# Altium PCB DT35_ACQ_F3_V1.2.PcbDoc (part 1 of 2) (continued)
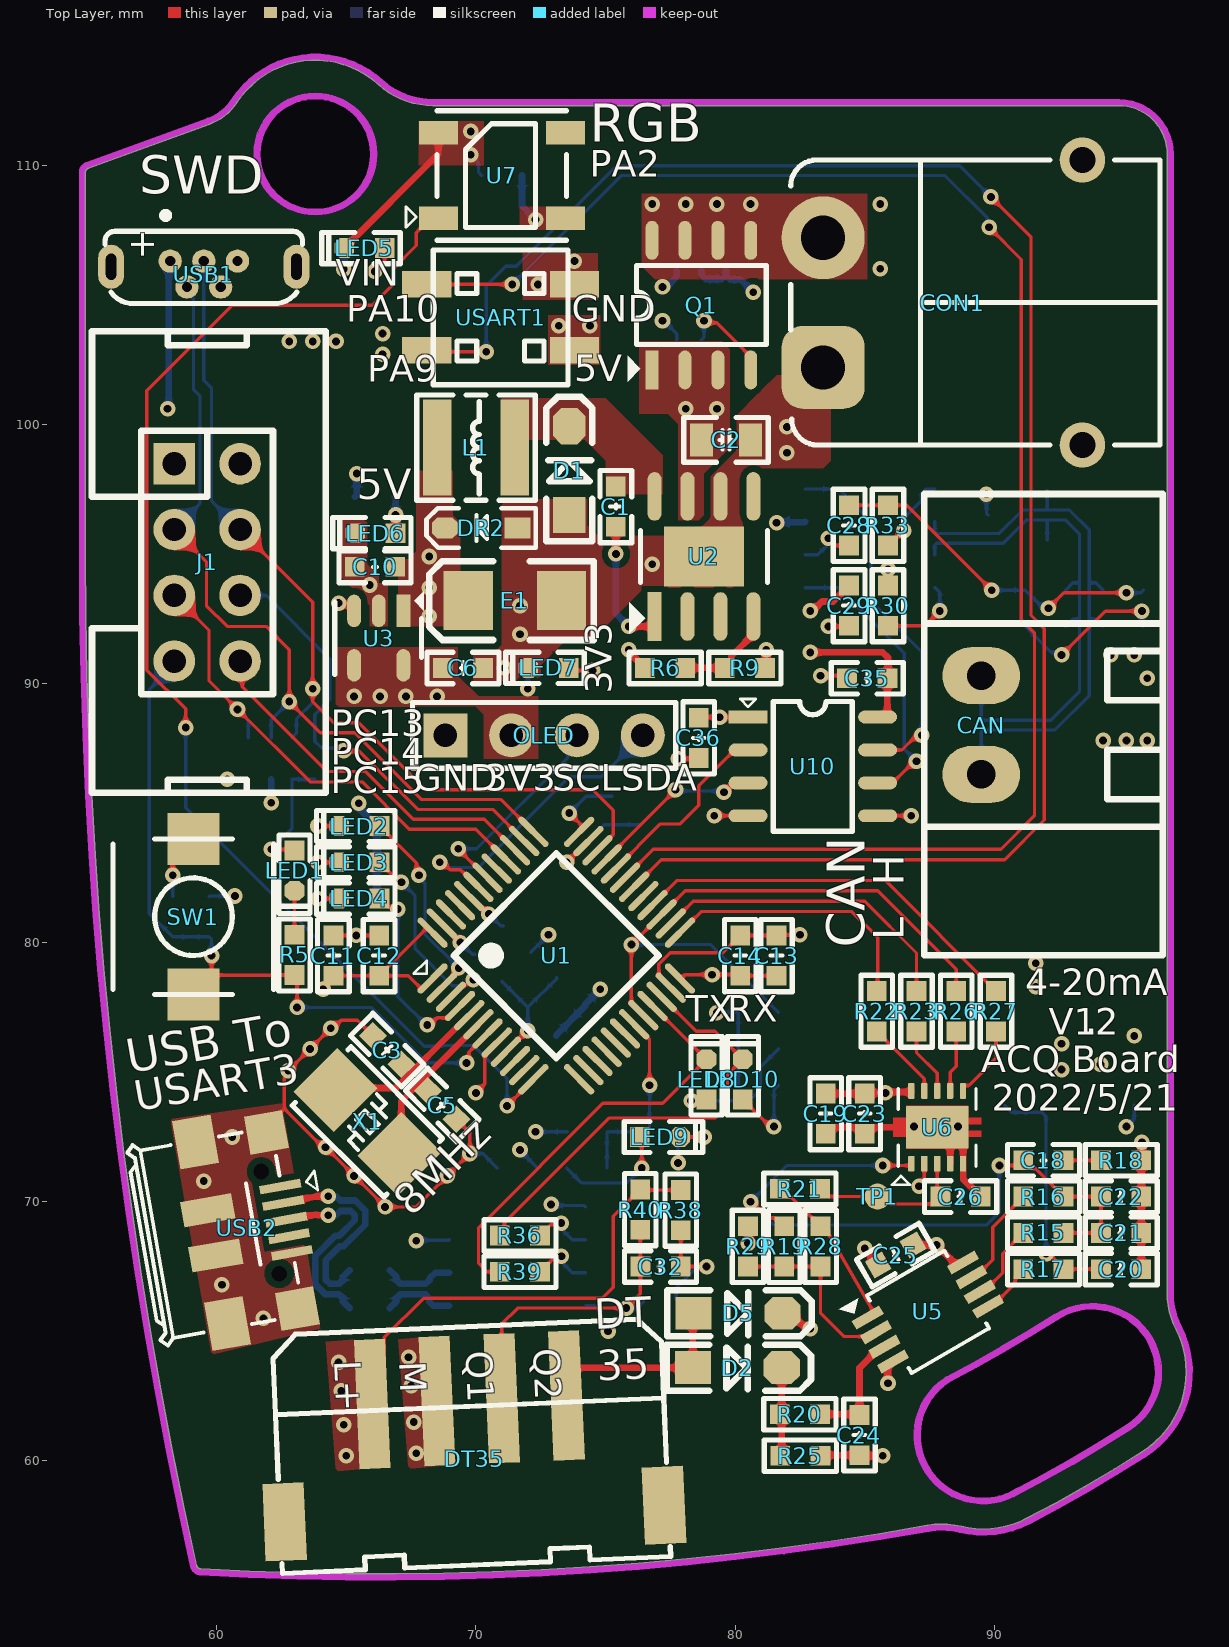
[diagram p0: Top Layer view]
## Footprints (in the part's own frame and the unit in brackets; to place one, negate y for a bottom-side part, rotate by r counter-clockwise, add the part's x,y. Pads: shape width x height; smd on the part's side, far side on the other; paste and mask are expansions set on the pad)
15EDGRM-02P-3.81mm [mm]
  oval 2.2x3 hole 1.1: 1(-7.62,-1) 2(-3.81,-1)
  silkscreen extent -14.6,-8 3.2,1.2, body extent -14.71,-8 3.31,1.2, height 7
Analog_Devices_Inc_UJ-5_IPC_C [mm]
  rect 1.254x0.532 smd paste+0 mask+0: 1(-1.05,0.95)
  rrect100% 1.254x0.532 smd paste+0 mask+0: 2(-1.05,0) 3(-1.05,-0.95) 4(1.05,-0.95) 5(1.05,0.95)
  silkscreen extent -1.81,-1.7 1.4,1.74, body extent -1.78,-1.55 1.78,1.55, height 0.25
"C 0603_L" [mil] "无极性贴片电容"
  rect 30x30 smd: 1(-30.59,0) 2(30.59,0)
  silkscreen extent -55,-24 55,24, body extent -31,-16 31,16, height 32
"C 0805_L" [mil] "无极性贴片电容"
  rect 35x50 smd: 1(-37.4,0) 2(37.4,0)
  silkscreen extent -64,-34 64,34, body extent -39,-24 39,24, height 20
"CD B(3528)" [mil] "长3.5mm，宽2.8mm，厚1.9mm"
  rect 75x90 smd: 1(-70.87,-0.01) 2(70.86,-0.01)
  silkscreen extent -130,-60 120,60, body extent -69,-55 69,55, height 75
DRC10_TEX [mm]
  rrect25% 0.6x0.24 smd mask+0: 1(-1.4,1) 2(-1.4,0.5) 3(-1.4,0) 4(-1.4,-0.5) 5(-1.4,-1) 6(1.4,-1) 7(1.4,-0.5) 8(1.4,0) 9(1.4,0.5) 10(1.4,1)
  rrect5% 1.65x2.4 smd paste-2 mask+0: 11(0,0)
  Top Layer region: 0.375,1.2 0.825,1.2 0.825,-1.2 0.375,-1.2 0.375,-1.7 0.125,-1.7 0.125,-1.2 -0.125,-1.2 -0.125,-1.7 -0.375,-1.7 -0.375,-1.2 -0.825,-1.2 -0.825,1.2 -0.375,1.2 -0.375,1.7 -0.125,1.7 -0.125,1.2 0.125,1.2 0.125,1.7 0.375,1.7
  silkscreen extent -1.5,-1.5 1.5,1.5, body extent -1.5,-1.5 1.5,1.5, height 1
Everlight_EL3H7-G_MFG [mm]
  rect 1.5x0.6 smd paste+0 mask+0: 1(-3.175,0.635) 2(-3.175,-0.635) 3(3.175,-0.635) 4(3.175,0.635)
  silkscreen extent -3.3,-1.45 2.05,1.63, body extent -3.5,-1.35 3.5,1.35, height 2
"FB 0603_L" [mil] "小功率贴片磁珠"
  rect 30x30 smd: 1(-30.59,0) 2(30.59,0)
  silkscreen extent -55,-24 55,24, body extent -31,-16 31,16, height 31
HDR2.54-M-LS-2x2P [mm] "脚距：2.54mm，贴片双排母"
  rect 1.02x1.9 smd: 1(-1.27,2.85) 2(-1.27,-2.85) 3(1.27,2.85) 4(1.27,-2.85)
  silkscreen extent -2.6,-2.6 2.6,2.6, body extent -2.57,-3.2 2.57,3.2, height 5.15
IDC2.54-LI-2x4P [mm] "8P简易牛角座"
  rect 1.6x1.6 hole 0.9: 1(0,0)
  round 1.6 hole 0.9: 2(0,2.54) 3(2.54,0) 4(2.54,2.54) 5(5.08,0) 6(5.08,2.54) 7(7.62,0) 8(7.62,2.54)
  silkscreen extent -5.11,-3.18 12.7,5.84, body extent -5.08,-3.08 12.7,5.77, height 9.17
"LED 0603B" [mil] "蓝色0603LED"
  rect 30x30 smd: 1(-30.59,0)
  oct 30x30 smd: 2(30.59,0)
  silkscreen extent -54,-24 65,24, body extent -31,-16 32,16, height 24
"LED 0603G" [mil] "绿色0603LED"
  rect 30x30 smd: 1(-30.59,0)
  oct 30x30 smd: 2(30.59,0)
  silkscreen extent -54,-24 65,24, body extent -31,-16 32,16, height 24
"LED 0603R" [mil] "红色0603LED"
  rect 30x30 smd: 1(-30.59,0)
  oct 30x30 smd: 2(30.59,0)
  silkscreen extent -54,-24 65,24, body extent -31,-16 32,16, height 24
"LED 0603W" [mil] "白色0603LED"
  rect 30x30 smd: 1(-30.59,0)
  oct 30x30 smd: 2(30.59,0)
  silkscreen extent -54,-24 65,24, body extent -31,-16 32,16, height 24
"LQFP48 7X7_L" [mm] "48脚，体宽7x7mm，脚距0.5mm"
  oval 0.25x1.55 smd: 1(-2.75,-4) 2(-2.25,-4) 3(-1.75,-4) 4(-1.25,-4) 5(-0.75,-4) 6(-0.25,-4) 7(0.25,-4) 8(0.75,-4) 9(1.25,-4) 10(1.75,-4) 11(2.25,-4) 12(2.75,-4) 25(2.75,4) 26(2.25,4) 27(1.75,4) 28(1.25,4) 29(0.75,4) 30(0.25,4) 31(-0.25,4) 32(-0.75,4) 33(-1.25,4) 34(-1.75,4) 35(-2.25,4) 36(-2.75,4)
  oval 1.55x0.25 smd: 13(4,-2.75) 14(4,-2.25) 15(4,-1.75) 16(4,-1.25) 17(4,-0.75) 18(4,-0.25) 19(4,0.25) 20(4,0.75) 21(4,1.25) 22(4,1.75) 23(4,2.25) 24(4,2.75) 37(-4,2.75) 38(-4,2.25) 39(-4,1.75) 40(-4,1.25) 41(-4,0.75) 42(-4,0.25) 43(-4,-0.25) 44(-4,-0.75) 45(-4,-1.25) 46(-4,-1.75) 47(-4,-2.25) 48(-4,-2.75)
  silkscreen extent -2.79,-2.79 2.79,2.79, body extent -4.5,-4.5 4.5,4.5, height 1.45
NR4020 [mm] "4.0mm*4.0mm*2.0mm(长*宽*高）"
  rect 1.1x3.7 smd: 1(-1.5,0) 2(1.5,0)
  silkscreen extent -2.29,-2.03 2.29,2.03, body extent -2,-2 2,2, height 2.1
OLED_0.96寸-LI-4P [mm] "OLED，4脚，128X64"
  rect 1.7x1.7 hole 0.9: 1(-3.81,0)
  round 1.7 hole 0.9: 2(-1.27,0) 3(1.27,0) 4(3.81,0)
  silkscreen extent -5.08,-1.27 5.08,1.27, body extent -13.65,-25.9 13.65,1.9, height 12.65
"OSC 5032-2P" [mm] "5mm*3.2mm*0.8mm(长*宽*高)"
  rect 2.2x2.4 smd: 1(-1.75,0) 2(1.75,0)
  silkscreen extent -2.5,-1.6 2.5,1.6, body extent -2.5,-1.6 2.5,1.6, height 0.86
"R 0603_L" [mil] "1/10W贴片电阻"
  rect 30x30 smd: 1(-30.59,0) 2(30.59,0)
  silkscreen extent -55,-24 55,24, body extent -31,-16 31,16, height 16
RCA-8P4R-0603 [mm] "3.2mm*1.6mm*0.6mm(长*宽*厚)"
  rect 0.65x0.9 smd: 1(-1.28,-0.8) 4(1.28,-0.8) 5(1.28,0.8) 8(-1.28,0.8)
  rect 0.5x0.9 smd: 2(-0.4,-0.8) 3(0.4,-0.8) 6(0.4,0.8) 7(-0.4,0.8)
  silkscreen extent -1.78,-1.4 1.78,1.4, body extent -1.6,-0.8 1.6,0.8, height 0.6
RM_8_ADI-L [mil]
  rect 48x15 smd paste+0 mask+0: 1(-83.5,38.39) 2(-83.5,12.8) 3(-83.5,-12.8) 4(-83.5,-38.39) 5(83.5,-38.39) 6(83.5,-12.8) 7(83.5,12.8) 8(83.5,38.39)
  silkscreen extent -115,-68 68,71, body extent -101,-63 101,63, height 43
SMB [mm] "4.7*3.9*2.2mm(长宽高，不包括引脚）"
  rect 2.5x2.2 smd: 1(-2.35,0) 2(2.35,0)
  silkscreen extent -2.8,-1.9 3.57,1.9, body extent -2.63,-1.8 2.67,1.8, height 2.35
SOD-123 [mil] "2.7x1.6X1.1mm（长宽高，不包括引脚）"
  rect 55x50 smd: 1(-67.5,0)
  oct 55x50 smd: 2(67.5,0)
  silkscreen extent -108,-35 112,35, body extent -73,-31 73,31, height 48
SOD-323 [mm] "1.8x1.3X0.9mm（长宽高，不包括引脚）"
  rect 1x0.8 smd: 1(-1.4,0)
  oct 1x0.8 smd: 2(1.4,0)
  silkscreen extent -2.11,-0.76 2.11,0.76, body extent -1.34,-0.63 1.31,0.67, height 1
SOP8_L [mm] "4*5*1.8mm（长宽高）"
  rect 1.5x0.5 smd: 1(-2.5,1.905)
  oval 1.5x0.5 smd: 2(-2.5,0.635) 3(-2.5,-0.635) 4(-2.5,-1.905) 5(2.5,-1.905) 6(2.5,-0.635) 7(2.5,0.635) 8(2.5,1.905)
  silkscreen extent -1.52,-2.5 1.52,2.5, body extent -3,-2.5 3,2.5, height 1.9
SOP8_N [mm] "5*6*1.8mm（长宽高）"
  rect 1.8x0.55 smd: 1(-2.625,1.905)
  oval 1.8x0.55 smd: 2(-2.625,0.635) 3(-2.625,-0.635) 4(-2.625,-1.905) 5(2.625,-1.905) 6(2.625,-0.635) 7(2.625,0.635) 8(2.625,1.905)
  silkscreen extent -2.69,-2.5 1.52,3.2, body extent -3,-2.5 3,2.5, height 1.9
SOT23-3L [mm] "3x1.3x1mm(长宽高)"
  rect 0.45x1 smd: 1(-0.95,-1.143) 2(0.95,-1.143) 3(0,1.125)
  silkscreen extent -1.72,-1.65 1.5,0.7, body extent -1.5,-1.2 1.5,1.2, height 1.05
"TEST 1" [mm] "测试点1mm"
  round 1 smd paste-1: 1(0,0)
Texas_Instruments_DDA0008J_IPC_C [mm]
  rect 1.874x0.542 smd paste+0 mask+0: 1(-2.316,1.905)
  rrect100% 1.874x0.542 smd paste+0 mask+0: 2(-2.316,0.635) 3(-2.316,-0.635) 4(-2.316,-1.905) 5(2.316,-1.905) 6(2.316,-0.635) 7(2.316,0.635) 8(2.316,1.905)
  rect 2.3x3.1 smd paste-1000 mask+0: 9(0,0)
  silkscreen extent -2.98,-2.45 1,2.87, body extent -3.35,-2.55 3.35,2.55, height 0.25
Texas_Instruments_DDC0006A_0 [mm]
  rect 0.6x1.1 smd paste+0 mask+0: 1(-0.95,-1.35) 2(0,-1.35) 3(0.95,-1.35) 4(0.95,1.35) 5(0,1.35) 6(-0.95,1.35)
  silkscreen extent -1.8,-1.8 1.53,0.43, body extent -1.45,-1.4 1.45,1.4, height 0.97
"TS 2PIN 6x6x4.8" [mm] "贴片轻触开关6x6x4.8"
  rect 2x2 smd: 1(-3,0) 2(3,0)
  silkscreen extent -3,-3.1 3,3.1, body extent -3.3,-3 3.3,3, height 5
USB-MICRO_C [mm] "micro型USB ，5.7*7.8*2.5mm"
  round 0.9 hole 0.4: 1(-1.3,0.5) 2(-0.65,-0.5) 3(0,0.5) 4(0.65,-0.5) 5(1.3,0.5)
  oval 1x1.7 hole 0.4 slot 1 at 90 deg: 5(-3.575,0.28) 5(3.575,0.28)
  silkscreen extent -3.81,-1.14 3.81,2.39, body extent -4,-1.21 4,1.77, height 5.65
USB-MICRO_E [mm] "micro型USB ，5.9*8.2*2.5mm"
  round 0 hole 0.6 unplated: 0(-2,2.294) 0(2,2.294)
  rect 0.35x1.6 smd: 1(-1.295,2.921) 2(-0.648,2.921) 3(0,2.921) 4(0.648,2.921) 5(1.295,2.921)
  rect 1.9x1.5 smd: 5(-3.556,0) 5(3.556,0)
  rect 1.5x1.5 smd: 5(-3.454,2.754) 5(3.454,2.754)
  rect 1x2 smd: 5(-0.889,0.01) 5(0.889,0.01)
  silkscreen extent -3.86,-2.67 3.99,4.32, body extent -4,-2.72 4,3.36, height 2.8
WS2812B_B [mm] "SMD, 4-Leads, Body 5x5mm, Pitch 3.3mm"
  rect 1.5x0.9 smd: 1(-2.45,1.65) 2(-2.45,-1.65) 3(2.45,-1.65) 4(2.45,1.65)
  silkscreen extent -2.5,-2.5 2.5,2.5, body extent -2.7,-2.5 2.7,2.5, height 1.69
XH2.54-LS-4P [mm] "长：15mm，宽：6mm，高：8.3mm"
  rect 1.6x3 smd: 0(-7.326,1.016) 0(7.326,1.016)
  rect 1.2x5 smd: 1(-3.75,-3.383) 2(-1.25,-3.383) 3(1.25,-3.383) 4(3.75,-3.383)
  silkscreen extent -7.5,-3.13 7.5,3, body extent -7.5,-6 7.5,3, height 8
XT30PW-M [mm] "13.3*13.95*5"
  round 3.2 hole 1.7: 1(-2.5,0)
  rrect50% 3.2x3.2 hole 1.7: 2(2.5,0)
  round 1.75 hole 1: 3(5.5,10) 4(-5.5,10)
  silkscreen extent -5.5,-1.25 5.5,13, body extent -6.65,-0.95 6.65,13, height 5

## Part data
C1 C2 C3 C4 C5 C6 C7 C8 C9 C10 C11 C12 C13 C14 C15 C16 C17 C18 C19 C20 C21 C22 C23 C24 C25 C26 C27 C28 C29 C30 C31 C32 C35 C36 C37: library part C, "无极性贴片电容", BOM名称=无极性贴片电容, 材质=X7R
CAN: library part 绿头卧式2P, "3.81间距"
CON1: "XT30PW-M PCB板专用卧式连接器，低温升阻燃插头"
D1: library part 1N5819, "肖特基二极管", BOM名称=肖特基二极管, 属性=40V/2A
D2 D5: "高速开关二极管", BOM名称=高速开关二极管
D4: library part BAT54A, "表贴肖特基二极管", BOM名称=肖特基二极管, 属性=30V/0.2A
DR1 DR2: library part DR, "瞬态电压抑制二极管", BOM名称=瞬态电压抑制二极管
DT35: library part "Header 4", "4P接插件", BOM名称=4P接插件
E1: library part C-CD, "贴片钽电容", BOM名称=贴片钽电容
J1: "8脚JTAG下载接口"
L1: library part L-NR, "NR磁胶电感", BOM名称=NR磁胶电感
LB1 LB2: library part LB, "磁珠", BOM名称=磁珠
LED1 LED2 LED3 LED4 LED5 LED6 LED7 LED8 LED9 LED10: library part LED-SMD, "贴片LED", BOM名称=贴片LED
OLED: library part OLED_I2C_128*64, "OLED-4P接插件", BOM名称=4P接插件
Q1: library part IRF7416TRPBF, "Mosfet Transistor, P Channel, -10 A, -30 V, 20 Mohm, 10 V, -1 V"
Q3: library part EL3H7_C_TA_-VG, "Optocoupler DC-IN 1-CH Transistor DC-OUT 4-Pin SSOP T/R"
R1 R2 R3 R4 R5 R6 R7 R8 R9 R10 R11 R12 R13 R14 R15 R16 R17 R18 R19 R20 R21 R22 R23 R24 R25 R26 R27 R28 R29 R30 R31 R33 R34 R36 R37 R38 R39 R40 R41 R42 R43 R44: library part R, "贴片电阻", BOM名称=贴片电阻
RP1: library part R-8P4R, "贴片网络排阻", BOM名称=贴片网络排阻
SW1: library part "TSW SMD-2Pin-6x6", "2脚贴片6x6无声硅胶轻触开关", BOM名称=2脚轻触开关
TP1: library part TEST, "测试点", BOM名称=测试点
U1: "ARM Cortex-M4 32-bit MCU, 64 KB Flash, 16 KB Internal RAM, 37 I/Os, 48-Pin LQFP, -40 to 85 degC, Tray", I/Os (High Current)=37, Operating Frequency(F) (Processor speed) (MHz)=72, Package Description="48-Pin Low Profile Quad Flat Package, Body 7 x 7 mm, Pitch 0.5 mm", Package Reference=LQFP48, Supply Voltage(Vcc) min (V)=2, ComponentLink1Description="Manufacturer URL", ComponentLink1URL=http://www.st.com/, ComponentLink2Description=Datasheet, ComponentLink2URL=http://www.st.com/st-web-ui/static/active/en/resource/technical/document/datasheet/DM00093333.pdf, Core="ARM Cortex-M4", D/A Converter=1, DatasheetVersion="Rev. 5", FLASH Size (Prog) (kB)=64, Internal RAM Size (kB)=16, Mounting Technology="Surface Mount", Packing=Tray, PartNumber=STM32F302C8T6
U2: library part TPS5430DDA, "5.5V to 36V Input, 3A, 500kHz Step-Down Converter 8-SO PowerPAD 0 to 0"
U3: library part ADP7118AUJZ-3.3-R7, "20 V, 200 mA, Low Noise, / CMOS LDO Linear Regulator"
U4: "Micropower, Precision Series Mode Voltage Reference, 2.5 V Output, 2.7 to 12 V Supply, Industrial, 3-pin SOT23 (RT-3), Reel", Manufacturer="Analog Devices", Operating Temp Range="-40 to 125 degC", Code_JEDEC=TO-236-AB, ComponentLink1Description="Manufacturer URL", ComponentLink1URL=http://www.analog.com/en/index.html, ComponentLink2Description=Datasheet, ComponentLink2URL=http://www.analog.com/static/imported-files/data_sheets/AD1582_1583_1584_1585.pdf, ComponentLink3Description="Package Specification", ComponentLink3URL="http:/www.analog.com/static/imported-files/packages/PKG_PDF/SOT-23-3 (RT)/RT_3.pdf", ComponentLink4Description="URL Link1", ComponentLink4URL="Product URL:http://www.analog.com/en/special-linear-functions/voltage-references/ad1582/products/product.html", DatasheetVersion="Rev. I", Mounting Technology="Surface Mount", PackageDescription="3-Pin Small Outline Transistor Package, Body 2.9 x 1.3 mm, Pitch 0.96 mm", PackageReference=RT-3, PackageVersion="011909-C, 02/2009", Packing=Reel, PartNumber=AD1582BRTZ-REEL7, Ref Out TC (ppm/C)=18, Vout=2.5V
U5: "Double Channel Wide Bandwidth Operational Amplifier, 10 MHz BW, 5 V/us SR, Industrial, 8-pin SOP (RM-8), Reel", Amplifiers Per Package=2, Generic Part Number=AD8606, Input Bias Current=200fA, Input Offset Voltage=20uV, Manufacturer="Analog Devices", Code_JEDEC=MO-187-AA, ComponentLink1Description="Manufacturer URL", ComponentLink1URL=http://www.analog.com/en/index.html, ComponentLink2Description=Datasheet, ComponentLink2URL=http://www.analog.com/static/imported-files/data_sheets/AD8605_8606_8608.pdf, ComponentLink3Description="Package Specification", ComponentLink3URL=http://www.analog.com/static/imported-files/packages/PKG_PDF/MSOP%28RM%29/RM_8.pdf, ComponentLink4Description="URL Link1", ComponentLink4URL="Reference Circuit:http://www.analog.com/en/all-operational-amplifiers-op-amps/operational-amplifiers-op-amps/ad8606/products/product.html#product-recommendations", DatasheetVersion="Rev. L", Iq/Amp=1.2mA, Mounting Technology="Surface Mount", PackageDescription="8-Pin Mini Small Outline Package, Body 3 x 3 mm, Pitch 0.65 mm", PackageReference=RM-8, PartNumber=AD8606ARMZ-REEL, Slew Rate=5V/us, Small Signal Bandwidth=10MHz, V Span Max=6V, V Span Min=2.7V
U6: "16-Bit, 400-kSPS, 1-Ch SAR ADC with single-ended input, SPI interface and daisy-chain 10-VSON -40 to 85", Mfr_Name="Texas Instruments", Copyright="Copyright (C) 2022 Ultra Librarian. All rights reserved.", Manufacturer_Part_Number=ADS8864IDRCR, RefDes=RefDes, Type=DEV
U7: "Intelligent Control LED Integrated Light Source, 3.5 to 5.3 V, -25 to 80 degC, 4-Pin SMD, RoHS, Bulk", Case\Package=Radial, Current Rating="240 mA", Max Operating Temperature="125 degC", Min Operating Temperature="-55 degC", Package Quantity=200, PartNumber=WS2812B, Tolerance=10%, ComponentLink1Description="Manufacturer URL", ComponentLink1URL=https://www.adafruit.com/, ComponentLink2Description=Datasheet, ComponentLink2URL=https://cdn-shop.adafruit.com/datasheets/WS2812B.pdf, DatasheetVersion=May-13, Height="12.2 mm", Lead Pitch="5 mm", Length="12.2 mm", Mount="Through Hole", PackageDescription="4-Pin Surface Mount Device, Body 5 x 5 mm, Pitch 3.3 mm", PackageReference=WS2812B, Packaging=Bulk, Pins=2, Radiation Hardening=No, REACH SVHC="No SVHC", RoHSCompliant=true, Shielding=Unshielded
U8: "EMC Optimized CAN Bus Transceiver"
U9: library part LTC4412ES6#TRPBF, "Low Loss PowerPath(TM) Controller, 2.5 to 28 V Vin, 6-pin SOT23 (S6-6), -40 to 85 degC, Pb-Free, Tape and Reel", Manufacturer="Linear Technology", Code_JEDEC=MO-193, ComponentLink1Description="Manufacturer URL", ComponentLink1URL=http://www.linear.com/, ComponentLink2Description=Datasheet, ComponentLink2URL=http://cds.linear.com/docs/en/datasheet/4412fa.pdf, ComponentLink3Description="Package Specification", ComponentLink3URL=http://cds.linear.com/docs/en/packaging/SOT_6_05-08-1636.pdf, Ideal Diode="Single, External, P-Channel", Mounting Technology="Surface Mount", PackageDescription="6-Pin Plastic TSOT-23, Body 2.9 x 1.63 mm, Pitch 0.95 mm", PackageReference=S6-6, PackageVersion=Jun-10, Packing="Tape and Reel", PartNumber=LTC4412ES6#TRPBF, RoHS=TRUE
U10: "5 Mbps Dual Channels, 1 / 1, Digital Isolator, 3.3 V / 5 V, -40 to +125 degC, 8-pin SOIC (D), Green (RoHS & no Sb/Br)", Insulation Rating(VRMS)=2500, Manufacturer="Texas Instruments", Rating=Catalog, Supply Voltage(s)(V)="3.3, 5", Channel Configuration=02/01/2000, Code_JEDEC=MS-012AA, ComponentLink1Description=Datasheet, ComponentLink1URL=http://www.ti.com/general/docs/lit/getliterature.tsp?genericPartNumber=ISO7221B&fileType=pdf, ComponentLink2Description="URL Link1", ComponentLink2URL=SamplesURL:http://www.ti.com/product/iso7221b#samples, Datarate(Mbps)=5, DatasheetVersion=SLLS755L, Eco-Plan="Green (RoHS & no Sb/Br)", Input Noise Filter=Yes, Mounting Technology="Surface Mount", PackageDescription="8-Pin Plastic Small Outline Integrated Circuit, 4.9 x 3.9 mm, Pitch 1.27 mm Pitch", PackageReference=D8, PackageVersion="revM, Jun-2011", PartNumber=ISO7221BDR, SubFamily=Isolator, Thermal Shutdown=No, TTL/CMOS Input Threshold=TTL
U11: "USB转串口芯片 / Full speed USB 2.0", Manufacturer="Texas Instruments", PartNumber=TPS54232D, Rating=Catalog, Switch Current Limit(Typ)(A)=2.3, Code_JEDEC=MS-012AA, ComponentLink1Description=Datasheet, ComponentLink1URL=http://www.ti.com/general/docs/lit/getliterature.tsp?genericPartNumber=TPS54232&fileType=pdf, ComponentLink2Description="URL Link1", ComponentLink2URL="Samples URL:http://www.ti.com/product/tps54232#samples", DatasheetVersion=SLVS876B, Duty Cycle(Max)(%)=90, Eco-Plan="Green (RoHS & no Sb/Br)", Iout(Max)(A)=2, Iq(Typ)(mA)=0.11, Mounting Technology="Surface Mount", PackageDescription="8-Pin Plastic Small Outline Integrated Circuit, 4.9 x 3.9 mm, Pitch 1.27 mm Pitch", PackageReference=D8, PackageVersion="revM, Jun-2011", Regulated Outputs(#)=1, SubFamily="Step-Down Regulator", Topology=Buck, Vin(Max)(V)=28, Vin(Min)(V)=3.5, Vout(Max)(V)=25, Vout(Min)(V)=0.8
USART1: library part "Header 2X2", "2*2P接插件", BOM名称=2*2P接插件
USB1: library part USB-5P, "微型USB母座", BOM名称=微型USB母座
USB2: "微型USB母座", BOM名称=微型USB母座
X1: library part XTAL-2P, "2脚无源脚晶振", BOM名称=2脚无源脚晶振, 负载电容=CL20pF

## Via types
v1: diameter 0.6, hole 0.3, Top Layer to Bottom Layer, tented both sides, 182 vias

## Nets (pads, with @x,y where several pads share a name; then routed paths per layer and width w, separated by ;. In a path a pad name is that pad's centre, name@x,y a point inside that pad or via, vN(x,y) a via of type N, cw(c..) or ccw(c..) an arc to the next point about the centre after c; other vN are vias at no path point)
3V3: C6.1 C11.2 C12.2 C13.2 C14.2 C15.2 C31.1 C36.1 J1.1 LB1.1 LB2.1 LED1.1 OLED.2 Q3.4 R4.2 R13.2 R24.2 R43.1 R44.1 RP1.5 RP1.6 RP1.8 U1.1 U1.24 U1.36 U1.48 U3.4 U3.5 U10.1 U11.5 U11.8 USB1.1 | length 39.2
  Top Layer w0.127: v1(62.1,83.6) 62.954,83.6 LED1.1@63,83.554 ; v1(64.1,78.2) 64.1,78.323 C11.2@64.5,78.723 C12.2@66.265,78.723 ; U1.1@68.327,78.616 67.953,78.242 67.872,78.242 67.391,78.723 C12.2@66.265,78.723 ; U1.48@68.327,80.384 68.167,80.544 68.086,80.544 C12.2@66.265,78.723 ; v1(73.6,85) 74.115,84.485 74.115,84.404 U1.36@73.984,84.273 ; U1.24@77.873,78.616 77.918,78.616 78.066,78.764 v1(79.112,78.764) 80.159,78.764 C14.2@80.2,78.723 C13.2@81.6,78.723 ; C36.1@78.6,88.677 78.623,88.7 80.495,88.7 U10.1@80.5,88.705
  Bottom Layer w0.127: R4.2@59.7,81.777 59.723,81.8 v1(60.7,81.8) ; v1(60.4,86.3) RP1.8@61.22,86.3 ; v1(62.1,83.6) 62.9,84.4 RP1.6@62.9,86.3 RP1.5@63.78,86.3 ; v1(71.7,72) 71.7,71.977 C31.1@72.377,71.3 ; v1(72,89.792) 72,90.577 R13.2@72.023,90.6 ; LB2.1@72.109,79.621 72.121,79.621 v1(72.8,80.3) ; v1(72.9,69.9) 72.947,69.852 74.177,69.852 U11.5@74.225,69.805 ; v1(73.6,85) 74.249,85.649 C15.2@75.251,85.649 ; U11.8@74.225,65.995 74.591,65.995 74.787,65.8 74.787,65.38 75.1,65.067 v1(75.1,65) ; Q3.4@77.735,72.575 77.8,72.51 v1(77.8,71.5) ; v1(79.3,77.3) R24.2@80.123,77.3 R43.1@80.123,75.9 R44.1@80.123,74.5
  Bottom Layer w0.254: v1(58.1,100.6) 58.146,100.646 58.146,106.246 USB1.1@58.2,106.3
  other v1: 91.6,78.3 91.6,79.2 79.4,88.7 65.3,89.5 66.3,89.5 67.3,89.5 68.5,89.5
5V: C10.1 C29.2 C35.1 C37.1 DR2.2 E1.1 L1.2 R6.2 R12.2 U3.1 U3.3 U7.1 U8.3 U10.8 USART1.2 | length 13.3
  Top Layer w0.254: v1(64.7,93.1) 64.766,93.034 65.172,93.034 65.3,92.905 U3.3@65.3,92.8 ; v1(75.9,91.3) 75.9,91.223 R6.2@76.523,90.6 ; v1(82.9,91.2) 85.7,91.2 85.9,91 85.9,90.223 C35.1@85.877,90.2 85.877,88.819 85.763,88.705 U10.8@85.5,88.705 ; v1(82.9,92.8) 82.994,92.8 83.357,93.164 83.787,93.164 C29.2@84.4,93.777
  Bottom Layer w0.254: R12.2@65.323,97.2 65.4,97.277 v1(65.4,98.1) ; C37.1@71.777,109.6 71.777,108.423 v1(72.3,107.9) ; v1(81.6,96.2) 81.617,96.217 82.682,96.217 U8.3@82.7,96.235
  other v1: 68.2,92.6 68.2,93.7 68.2,94.9 73.2,103.8 74.4,103.8
A3V3: C7.1 C8.1 C19.2 C23.2 C25.2 D5.2 LB1.2 U4.3 U5.8 U6.2 U6.10 | length 7.9
  Top Layer w0.127: v1(87.1,70.6) 87.1,70.728 87.3,70.928 U6.2@87.3,71.475
  Top Layer w0.254: D5.2@81.829,65.7 82.136,65.7 82.669,65.166 82.834,65.166 v1(82.9,65.1) ; C19.2@83.5,74.175 C23.2@85,74.175 85.025,74.2 v1(85.8,74.2) 85.838,74.237 86.793,74.237 86.8,74.244 U6.10@86.8,74.275 ; C25.2@86.871,68.333 v1(87.772,68.333) 88.47,67.635 88.774,67.635 U5.8@88.792,67.652
  other v1: 94.1,75.3 95.4,76.4
AGND: C7.2 C8.2 C9.2 C19.1 C20.1 C21.1 C22.1 C23.1 C24.1 C25.1 C26.2 R8.2 R18.1 R25.1 R29.1 U4.2 U5.4 U6.4 U6.5 U6.11 | length 20.3
  Top Layer w0.254: v1(80.5,68.4) R29.1@80.5,69.054 ; R25.1@83.3,60.2 83.323,60.223 C24.1@84.8,60.223 84.823,60.2 v1(85.7,60.2) ; C19.1@83.5,72.621 83.754,72.875 U6.11@87.8,72.875 ; v1(85,68.2) 85,68.141 85.525,67.616 C25.1@85.525,67.556 ; v1(85.9,63) 85.892,63.008 85.892,63.641 U5.4@86.093,63.843 ; U6.4@88.3,71.475 88.3,72.375 U6.11@87.8,72.875 ; C26.2@89.477,70.2 88.8,70.877 U6.5@88.8,71.475 88.8,72.177 88.102,72.875 U6.11@87.8,72.875 ; C20.1@95.677,67.4 R18.1@95.677,71.6 95.7,71.623 v1(95.7,72.3)
  Bottom Layer w0.127: v1(95.1,72.9) 95.4,73.2 C8.2@95.4,73.723
  other v1: 86.9,72.9 88.6,72.9 92.6,75.1 92.6,76.1 94.2,87.8 95.1,87.8 95.9,87.8
BOOT0: R10.2 U1.44 | length 1.8
  Top Layer w0.127: U1.44@69.742,81.798 69.772,81.798 70.47,81.1 v1(70.5,81.1)
  Bottom Layer w0.127: v1(70.5,81.1) 70.951,80.649 R10.2@71.049,80.649
CAN1_N: C30.1 CAN.1 D4.1 R34.1 U8.6 | length 22
  Bottom Layer w0.127: U8.6@87.7,96.235 87.7,95.865 87.774,95.79 90.191,95.79 91.091,96.691 91.969,96.691 ; CAN.1@89.5,86.49 89.5,88.13 89.574,88.204 92.343,88.204 93.668,89.529 93.668,92.557 ; D4.1@92.043,97.45 92.043,96.765 91.969,96.691 ; C30.1@94.2,92.2 93.918,92.482 93.742,92.482 93.668,92.557 ; R34.1@94.2,93.6 93.918,93.882 93.742,93.882 93.668,93.957 ; 91.969,96.691 92.904,96.691 93.668,95.927 93.668,93.957 ; 93.668,92.557 93.668,93.957
CAN1_P: C27.2 CAN.2 D4.2 R31.2 U8.7 | length 20.7
  Bottom Layer w0.127: U8.7@87.7,94.965 87.7,95.335 87.774,95.409 90.348,95.409 91.248,96.31 91.969,96.31 ; CAN.2@89.5,90.3 89.5,88.66 89.574,88.585 92.186,88.585 93.287,89.686 93.287,92.557 ; D4.2@92.043,95.55 92.043,96.235 91.969,96.31 ; C27.2@92.754,92.2 93.036,92.482 93.212,92.482 93.287,92.557 ; R31.2@92.754,93.6 93.036,93.882 93.212,93.882 93.287,93.957 ; 91.969,96.31 92.746,96.31 93.287,95.769 93.287,93.957 ; 93.287,92.557 93.287,93.957
D_N: R41.1 USB2.2 | length 8.1
  Top Layer w0.254: USB2.2@62.564,69.945 63.221,70.098 63.8,70.2 63.813,70.213 v1(64.3,70.213)
  Bottom Layer w0.254: v1(64.3,70.213) 64.603,70.213 64.766,70.051 65.341,70.051 65.727,69.664 65.727,69.117 64.9,68.29 64.752,68.29 64.212,67.75 64.212,66.982 64.361,66.833 64.72,66.833 64.869,66.982 64.869,67.106 R41.1@65.123,67.36
D_P: R37.1 USB2.3 | length 8
  Top Layer w0.254: USB2.3@62.677,69.307 63.34,69.419 63.8,69.5 63.876,69.5 63.894,69.482 v1(64.3,69.482)
  Bottom Layer w0.254: v1(64.3,69.482) 64.603,69.482 64.766,69.644 65.172,69.644 65.321,69.496 65.321,69.285 64.732,68.696 64.584,68.696 63.806,67.918 63.806,66.814 64.193,66.427 64.72,66.427 64.869,66.278 64.869,66.154 R37.1@65.123,65.9
DGND: C3.1 C4.1 C5.1 C11.1 C12.1 C13.1 C14.1 C15.1 C16.1 C17.1 C27.1 C28.2 C29.1 C30.2 C31.2 C35.2 C36.2 D4.3 DT35.3 J1.2 LED9.2 OLED.1 R1.2 R2.2 R3.2 R7.2 R10.1 R14.2 R30.2 RP1.7 SW1.2 U1.8 U1.23 U1.35 U1.47 U8.2 U10.4 U10.5 U11.3 USB1.5 USB2.5 | length 65.5
  Top Layer w0.127: v1(58.3,82.6) 58.3,83.2 SW1.2@59.1,84 ; USB2.5@61.912,72.68 61.912,72.903 62.6,73.591 62.6,73.595 ; v1@64.198,72.098 v1(66.496,69.8) 67.7,69.8 v1(69.763,71.863) 69.763,72.667 C5.1@69.246,73.184 ; v1(64.2,72.1) 64.095,72.1 62.6,73.595 ; C11.1@64.5,80.277 C12.1@66.265,80.277 ; C3.1@66.026,76.404 65.43,77 64.794,77 64.494,76.7 v1(64.4,76.7) v1(63.6,75.9) v1(62.76,75.06) 62.76,74.932 62.6,74.772 62.6,73.595 ; U1.47@68.681,80.737 68.681,80.728 69.4,80.009 v1(69.4,80) ; v1(70,74.2) 70,74.209 70.343,74.551 70.343,75.682 U1.8@70.802,76.142 ; v1(73.5,83.1) 73.509,83.1 74.328,83.919 U1.35@74.337,83.919 ; U1.23@77.519,78.263 77.06,78.722 77.06,79.169 77.499,79.608 79.531,79.608 C14.1@80.2,80.277 C13.1@81.6,80.277 81.623,80.3 v1(82.5,80.3) ; v1(77.8,87.1) 78.577,87.1 C36.2@78.6,87.123 ; LED9.2@77.877,72.5 v1(78.8,72.5) ; v1(79.2,84.9) 79.203,84.897 80.497,84.897 U10.4@80.5,84.895 ; v1(83.3,90.3) 84.223,90.3 C35.2@84.323,90.2 ; v1(83.6,92.2) 84.377,92.2 C29.1@84.4,92.223 ; v1(83.6,95.6) 83.609,95.6 83.886,95.323 C28.2@84.4,95.323 ; U10.5@85.5,84.895 85.502,84.897 86.797,84.897 v1(86.8,84.9) ; R30.2@85.9,93.777 v1(85.9,94.4) ; v1(92.6,91.1) 94.292,92.792 v1(95.7,92.792)
  Bottom Layer w0.127: C4.1@58.3,81.777 v1(58.3,82.6) ; v1(67.7,68.5) 67.717,68.518 68.957,68.518 U11.3@68.975,68.535 ; v1(69.4,80) 69.849,79.551 R10.1@69.951,79.551 ; v1(69.763,71.863) 70.26,71.863 C31.2@70.823,71.3 ; v1(72.3,72.7) R14.2@73.523,72.7 ; v1(73.5,83.1) 74.951,84.551 C15.1@76.349,84.551 ; U8.2@82.7,94.965 83.196,94.965 83.509,95.278 83.509,95.509 v1(83.6,95.6) ; v1(89.7,97.3) 89.7,96.575 D4.3@89.775,96.5 ; C27.1@91.2,92.2 92.209,91.191 92.509,91.191 v1(92.6,91.1) ; v1(95.7,92.792) 95.7,92.254 C30.2@95.754,92.2
  Bottom Layer w0.254: v1(62.1,85.4) RP1.7@62.1,86.3 ; v1(65.482,85.382) 65.548,85.315 65.548,85.129 R1.2@66.177,84.5 R2.2@66.177,83.1 R3.2@66.177,81.7 ; C16.1@73.099,76.401 73.099,76.434 C17.1@74.214,77.549 74.214,77.614 v1(74.8,78.2)
  other v1: 67.7,60.3 67.6,61.5 67.5,62.9 67.4,64 61.8,65.5 60.2,66.8 59.5,70.8 65.3,71 68.9,71 60.6,72.5 65.383,80.277 62.8,103.2 63.7,103.2 64.6,103.2
GND: C2.1 C6.2 C10.2 C37.2 CON1.2 D1.1 DR1.2 DR2.1 E1.2 LED5.2 LED6.2 LED7.2 R7.1 R8.1 R9.2 U2.6 U2.9 U3.2 U7.3 U9.2 U9.3 USART1.4 | length 10.7
  Top Layer w0.254: LED5.2@64.923,106.916 LED5.2@64.923,106.8 68.55,110.427 U7.3@68.55,111.25 ; R9.2@81.154,90.6 81.2,90.646 v1(81.2,91.3)
  Bottom Layer w0.127: v1(69.8,110.4) 70.103,110.097 70.103,109.72 C37.2@70.223,109.6
  Bottom Layer w0.254: U9.2@78.7,105.95 78.7,105.773 78.873,105.6 79.477,105.6 79.65,105.773 U9.3@79.65,105.95 79.65,105.755 79.823,105.582 80.218,105.582 v1(80.7,105.1)
  other v1: 95.9,90.2 71.1,90.6 94.5,91.1 95.4,91.1 71.7,91.9 71.7,93 65.9,93.8 76.8,94.6 82,98.9 82,99.9 66.4,102.7 66.4,103.5 72.4,105.4 73.8,106.3 69.8,111.3
ISO-CAN_RX: U8.4 U10.7 | length 14.1
  Top Layer w0.127: U10.7@85.5,87.435 86.441,87.435 86.915,87.909 87.109,87.909 v1(87.2,88)
  Bottom Layer w0.127: U8.4@82.7,97.505 83.995,97.505 85.232,96.268 85.232,93.182 87.2,91.214 v1(87.2,88)
ISO-CAN_TX: U8.1 U10.6 | length 11.1
  Top Layer w0.127: U10.6@85.5,86.165 86.083,86.165 86.918,87 v1(87,87)
  Bottom Layer w0.127: U8.1@82.7,93.695 84.005,93.695 86.532,91.168 86.532,87.468 v1(87,87)
JTCK: J1.3 RP1.2 U1.37 USB1.2 | length 32.5
  Top Layer w0.127: J1.3@58.36,95.94 59.6,94.7 59.6,93 60.4,92.2 61.9,92.2 62.8,91.3 v1(62.8,89.3) 64,88.1 65.325,88.1 67.906,85.519 70.97,85.519 U1.37@72.216,84.273
  Bottom Layer w0.127: J1.3@58.36,95.94 59.351,96.93 59.351,101.096 59.1,101.346 59.1,104.841 58.85,105.091 USB1.2@58.85,105.3 ; RP1.2@62.1,87.9 62.1,88.6 v1(62.8,89.3)
JTDI: J1.6 RP1.4 U1.38 | length 17.6
  Top Layer w0.127: v1(64.9,87.4) 65.486,87.4 67.748,85.138 70.644,85.138 U1.38@71.863,83.919
  Bottom Layer w0.127: J1.6@60.9,93.4 61.9,93.4 64.368,90.932 64.368,89.384 63.78,88.796 63.78,87.775 64.042,87.513 64.659,87.513 64.772,87.4 v1(64.9,87.4)
JTDO: J1.8 U1.39 | length 14.2
  Top Layer w0.127: J1.8@60.9,90.86 60.985,90.775 60.985,89.869 64.255,86.6 65.747,86.6 67.59,84.757 70.318,84.757 U1.39@71.509,83.566
JTMS: J1.4 RP1.3 U1.34 USB1.3 | length 36.1
  Top Layer w0.127: J1.4@60.9,95.94 63.7,93.14 v1(63.7,89.8) 63.7,89.3 64.519,88.481 65.483,88.481 68.064,85.9 74.5,85.9 75.3,85.1 75.3,84.175 U1.34@74.691,83.566
  Bottom Layer w0.127: USB1.3@59.5,106.3 59.5,101.7 59.8,101.4 59.8,97.04 J1.4@60.9,95.94 ; RP1.3@62.9,87.9 63.074,88.074 63.074,88.632 63.077,88.632 63.7,89.255 v1(63.7,89.8)
JTRST: J1.5 RP1.1 U1.40 | length 19.4
  Top Layer w0.127: J1.5@58.36,93.4 59.7,92.06 59.7,90.1 v1(60.8,89) 63.6,86.2 65.608,86.2 67.432,84.376 69.992,84.376 U1.40@71.156,83.212
  Bottom Layer w0.127: v1(60.8,89) 61.22,88.58 RP1.1@61.22,87.9
NetC1_1: C1.1 D1.2 L1.1 U2.8
NetC1_2: C1.2 U2.1 | length 5.3
  Top Layer w0.254: v1(75.4,95) C1.2@75.4,96.046 ; v1(75.9,92.2) 76.751,92.2 76.895,92.344 U2.1@76.895,92.584
  Bottom Layer w0.254: v1(75.4,95) 75.4,92.7 v1(75.9,92.2)
NetC18_1: C18.1 R18.2 | length 1.4
  Top Layer w0.127: C18.1@92.677,71.6 R18.2@94.123,71.6
NetC18_2: C18.2 C21.2 C22.2 R15.2 R16.2 R19.2 U6.1 | length 27.9
  Top Layer w0.127: v1(80.6,70) 81.228,69.372 81.583,69.372 R19.2@81.9,69.054 ; v1(85.7,71.4) 86.743,71.4 86.8,71.456 U6.1@86.8,71.475 ; v1(90.2,71.4) 90.923,71.4 C18.2@91.123,71.6 91.435,71.288 91.589,71.288 R16.2@92.677,70.2 C22.2@94.123,70.2 C21.2@94.123,68.8 R15.2@92.677,68.8
  Bottom Layer w0.127: v1(85.7,71.4) 82,71.4 v1(80.6,70) 81.5,69.1 89.7,69.1 90.2,69.6 v1(90.2,71.4)
NetC24_2: C24.2 R20.1 U5.3 | length 4.7
  Top Layer w0.254: R20.1@83.277,61.8 84.777,61.8 C24.2@84.8,61.777 84.8,63.591 85.615,64.405 U5.3@85.768,64.405
NetC26_1: C26.1 R21.1 TP1.1 U6.3 | length 6.5
  Top Layer w0.127: R21.1@83.277,70.5 83.577,70.2 85.2,70.2 TP1.1@85.5,70.5 ; TP1.1@85.5,70.2 85.725,70.2 86.011,69.915 87.605,69.915 87.8,70.109 C26.1@87.8,70.323 ; U6.3@87.8,71.475 C26.1@87.8,70.323 ; C26.1@87.923,70.2 C26.1@87.8,70.323
NetC28_1: C28.1 R31.1 R33.1 R34.2 | length 13.3
  Top Layer w0.127: C28.1@84.4,96.877 R33.1@85.9,96.877 86.623,96.877 v1(89.9,93.6) ; v1(92.089,92.9) 92.689,93.5 v1(95.1,93.5)
  Bottom Layer w0.127: v1(89.9,93.6) R31.1@91.2,93.6 91.809,92.991 91.999,92.991 v1(92.089,92.9) ; v1(95.1,93.5) 95.654,93.5 R34.2@95.754,93.6
NetC32_1: C32.1 Q3.1 R38.1 | length 4.4
  Top Layer w0.127: R38.1@77.906,68.9 77.906,67.506 C32.1@77.9,67.5 v1(78.9,67.5)
  Bottom Layer w0.127: Q3.1@77.735,66.225 77.735,66.675 78.469,67.409 78.809,67.409 v1(78.9,67.5)
NetCON1_1: CON1.1 DR1.1 Q1.5 Q1.6 Q1.7 Q1.8 U9.1 | length 1
  Bottom Layer w0.254: v1(77.2,105.3) 77.266,105.366 77.416,105.366 77.75,105.7 U9.1@77.75,105.95
  other v1: 85.6,106 76.8,108.5 78.1,108.5 79.3,108.5 80.6,108.5 85.6,108.5
NetD2_1: D2.1 D5.1 DT35.1 | length 7.7
  Top Layer w0.254: DT35.1@73.493,62.527 73.493,63.019 74.074,63.6 D2.1@78.371,63.6 78.371,65.671 D5.1@78.4,65.7
NetD2_2: D2.2 R20.2 R25.2 | length 3.4
  Top Layer w0.254: R25.2@81.746,60.2 81.8,60.254 D2.2@81.8,63.6
NetLED1_2: LED1.2 R5.2 | length 1.7
  Top Layer w0.127: R5.2@63,80.3 LED1.2@63,82
NetLED2_2: LED2.2 R1.1 | length 1.5
  Top Layer w0.127: v1(63.9,84.5) LED2.2@64.723,84.5
  Bottom Layer w0.127: v1(63.9,84.5) R1.1@64.623,84.5
NetLED3_2: LED3.2 R2.1 | length 1.5
  Top Layer w0.127: v1(63.9,83.1) LED3.2@64.723,83.1
  Bottom Layer w0.127: v1(63.9,83.1) R2.1@64.623,83.1
NetLED4_2: LED4.2 R3.1 | length 1.5
  Top Layer w0.127: v1(63.9,81.7) LED4.2@64.723,81.7
  Bottom Layer w0.127: v1(63.9,81.7) R3.1@64.623,81.7
NetLED5_1: LED5.1 R11.2 | length 2.2
  Top Layer w0.127: v1(66.1,105.9) 66.477,106.277 LED5.1@66.477,106.8 LED5.1@66.5,106.823
  Bottom Layer w0.127: v1(66.1,105.9) 66.477,106.277 R11.2@66.477,106.8 R11.2@66.5,106.823
NetLED6_1: LED6.1 R12.1 | length 1.4
  Top Layer w0.254: LED6.1@66.9,95.8 v1(66.9,96.5)
  Bottom Layer w0.254: R12.1@66.877,97.2 66.9,97.177 v1(66.9,96.5)
NetLED7_1: LED7.1 R13.1 | length 1.9
  Top Layer w0.127: LED7.1@73.577,90.6 73.677,90.5 v1(74.5,90.5)
  Bottom Layer w0.127: R13.1@73.577,90.6 73.677,90.5 v1(74.5,90.5)
NetLED8_1: LED8.1 R43.2 | length 5.3
  Top Layer w0.127: v1(78.3,73.9) 78.854,73.9 LED8.1@78.9,73.946
  Bottom Layer w0.127: v1(78.3,73.9) 80.554,73.9 80.971,74.317 80.971,75.194 R43.2@81.677,75.9
NetLED9_1: LED9.1 R42.2 | length 4.6
  Top Layer w0.127: LED9.1@76.323,72.5 76.4,72.423 v1(76.4,71.3)
  Bottom Layer w0.127: R42.2@73.5,71.3 74.072,70.728 75.828,70.728 v1(76.4,71.3)
NetLED10_1: LED10.1 R44.2 | length 3.3
  Top Layer w0.127: LED10.1@80.3,73.946 81.255,72.991 81.409,72.991 v1(81.5,72.9)
  Bottom Layer w0.127: v1(81.5,72.9) 81.5,74.323 R44.2@81.677,74.5
NetQ1_4: Q1.4 U9.5 | length 3.7
  Top Layer w0.127: v1(78.8,104) 78.885,103.915 79.29,103.915 80.605,102.6 Q1.4@80.605,102.1
  Bottom Layer w0.127: U9.5@78.7,103.25 78.8,103.35 v1(78.8,104)
NetR6_1: R6.1 R9.1 U2.4 | length 4
  Top Layer w0.254: R6.1@78.077,90.6 R9.1@79.6,90.6 79.854,90.854 79.854,91.051 80.705,91.902 U2.4@80.705,92.584
NetR15_1: R15.1 U5.6 | length 3.1
  Top Layer w0.127: U5.6@89.442,66.526 89.595,66.526 90.327,67.258 90.327,68.004 R15.1@91.123,68.8